# KiCad board 8851_HW-U1-VCU118_REV2-0_071417.kicad_pcb (continued)
## Nets (continued)
VCCINTIO_BRAM: C131.1 L7.2 R79.2 R156.1 R161.1 Z2.2
VCCINTIO_BRAM_DH_R: Q19.1 R154.2
VCCINTIO_BRAM_DL: Q19.7 U6.19
VCCINTIO_BRAM_FET_SWITCH: C184.2 L7.1 Q19.2 Q19.3 Q19.4 R80.2 R139.1 R158.2 U6.16
VCCINTIO_BRAM_FPGA: C160.1 C205.1 C1462.1 C1463.1 D16.1 J21.1 R78.2 R161.2 U1.AA27 U1.AC13 U1.AC27 U1.AD14 U1.AE27 U1.AF14 U1.AG13 U1.AG27 U1.AH14 U1.AJ27 U1.AK28 U1.U27 U1.V28 U1.W27 Z4.2
VCCINTIO_BRAM_FPGA_SNS_N: C175.1 C187.2 U6.26 Z5.1
VCCINTIO_BRAM_FPGA_SNS_P: C187.1 U6.27 U8.8 Z4.1
VCCINTIO_BRAM_FPGA_VIN: C127.1 R78.1 U8.9
VCCINTIO_BRAM_PGOOD: D17.1 Q26.1 R106.2 U6.32
VCCINTIO_BRAM_TEMPX: C188.1 Q20.1 Q20.2 U6.7
VCCINTIO_BRAM_VIN: C127.2 R79.1 U8.10
VCCPLL: C794.1 C835.1 L62.1 U111.F5
1N1524: J2.B1
1N1551: J2.D34
1N1554: J2.B40
1N4342: J2.A2
1N4343: J2.A18
1N4344: J2.A3
1N4345: J2.A27
1N4346: J2.A26
1N4347: J2.A7
1N4348: J2.A23
1N4349: J2.A6
1N4350: J2.A11
1N4351: J2.A19
1N4352: J2.A14
1N4353: J2.A15
1N4354: J2.A10
1N4355: J2.A22
1N4377: J2.A30
1N4378: J2.A31
1N4379: J2.A35
1N4380: J2.A34
1N4381: J2.A39
1N4383: J2.A38
1N4399: J2.B4
1N4400: J2.B5
1N4401: J2.B9
1N4402: J2.B8
1N4403: J2.B13
1N4404: J2.B16
1N4405: J2.B17
1N4406: J2.B12
1N4423: J2.B24
1N4424: J2.B25
1N4425: J2.B29
1N4426: J2.B28
1N4427: J2.B33
1N4428: J2.B36
1N4429: J2.B37
1N4430: J2.B32
1N4447: J2.C2
1N4448: J2.C3
1N4449: J2.C7
1N4450: J2.C6
1N4611: J2.D4
1N4612: J2.D5
1N4617: J2.B20
1N4618: J2.B21
4N2355: D15.2 R115.1
4N2356: DS2.4 R473.2
4N2357: DS2.1 R472.2
4N2358: R472.1 R473.1 U53.3
4N4374: J78.1 R554.1
4N4376: J78.2 R553.1
4N4692: D15.1
4N6788: DS34.1 R598.1
4N6800: Q2.3 R598.2
5N11680: U1.AN29
5N11683: U1.AU36
6N5608: U1.AL26
7N8237: U1.J15
8N9313: R193.1 R218.2 U31.1
8N9315: R217.2 R319.1 U31.15
8N9317: R213.2 R318.1 U31.3
8N9319: R208.2 R229.1 U31.2
8N9384: R221.2 R223.1 U31.13
8N9386: R220.2 R222.1 U31.14
8N9847: U1.AL17
8N9851: U1.BF20
8N9854: U1.BE20
8N9858: U1.BE19
8N9859: U1.BF19
8N9863: U1.AR17
8N9864: U1.AN18
8N9865: U1.AN19
8N9869: U1.AT19
8N9870: U1.AR18
8N9871: U1.AW17
8N9873: U1.BF17
8N9880: U1.BD20
8N9881: U1.BD17
8N9882: U1.BD18
8N9883: U1.BE18
8N9884: U1.BC20
8N9885: U1.BE17
8N9892: U1.AT17
8N9893: U1.AT20
8N9894: U1.AU17
8N9895: U1.AW20
8N9896: U1.AR19
8N9897: U1.AR20
8N9910: U1.AU19
8N9911: U1.AV20
8N9912: U1.AU18
8N9913: U1.AY17
8N9914: U1.AV18
8N9915: U1.AV19
8N9916: U1.BA19
8N9917: U1.AY18
8N9918: U1.AW18
8N9919: U1.BA17
8N9920: U1.AY19
8N9921: U1.BB17
8N9928: U1.BC18
8N9929: U1.BC19
8N9930: U1.BB19
8N9931: U1.AY20
8N9932: U1.BB18
8N9933: U1.BA20
8N9935: U1.AL19
9N9684: U1.K36
9N9688: U1.R36
9N9690: U1.V30
9N9738: U1.AH30
9N9739: U1.AM31
9N10300: U1.W31
9N10301: U1.U32
9N10302: U1.U31
9N10303: U1.T31
9N10304: U1.Y31
9N10308: U1.T30
9N10384: U1.L38
9N10385: U1.M37
9N10740: U1.R33
9N10741: U1.T33
10N8170: U1.AM16
10N8224: U1.BB11
10N8836: U1.AR15
10N8842: U1.AW16
10N8984: U1.BD10
10N8985: U1.BC10
10N8987: U1.BE10
10N8988: U1.BE7
10N8989: U1.BE8
10N8990: U1.BD7
10N8992: U1.BE9
10N8994: U1.BD8
10N9224: U1.AU14
10N9225: U1.AN13
10N9226: U1.AN14
10N9228: U1.AU13
10N9606: U1.BB8
10N9607: U1.BB9
10N9644: U1.BA10
10N9645: U1.BF7
11N5838: U1.AE8
11N5839: U1.AE9
11N8666: U1.AN9
11N8667: U1.AN8
11N8774: U1.AA9
11N8775: U1.AA8
11N9044: U1.AR9
11N9045: U1.AR8
12N5415: U1.AW21
17N1467: U19.18
17N1470: U19.15
17N1473: U19.14
17N1476: U19.10
17N1479: U19.9
17N1482: U19.6
17N1575: R575.2 U115.4
17N1576: R574.2 U115.3
17N1577: R573.2 U115.2
17N1924: R861.2 U19.2
17N2056: U13.4
17N2058: U13.9
17N2120: J106.4 X7.3
17N2123: J106.6 J106.7 J106.8 J106.9 J106.10 J106.11 R1324.1
17N2128: X7.5
17N2513: J3.14
17N2516: J3.12
17N2634: J17.1 U115.7
17N2635: J18.1 U115.6
17N2674: J19.1 R140.2 U115.5
18N3158: U60.T7
18N4182: U61.T7
20N153: U62.T7
20N1721: U63.T7
21N4739: C639.2 R565.2 R566.2
21N5660: U64.T7
22N1524: J22.B1
22N1551: J22.D34
22N1554: J22.B40
23N1212: J22.E21
23N1215: J22.E22
23N1218: J22.E24
23N1220: J22.E25
23N1224: J22.E27
23N1226: J22.E28
23N1230: J22.E30
23N1232: J22.E31
23N1236: J22.E33
23N1238: J22.E34
23N1242: J22.E36
23N1244: J22.E37
23N1248: J22.F22
23N1251: J22.F23
23N1254: J22.F25
23N1256: J22.F26
23N1260: J22.F28
23N1262: J22.F29
23N1266: J22.F31
23N1268: J22.F32
23N1272: J22.F34
23N1274: J22.F35
23N1278: J22.F37
23N1280: J22.F38
24N1169: J22.J24
24N1172: J22.J25
24N1175: J22.J27
24N1178: J22.J28
24N1181: J22.J30
24N1184: J22.J31
24N1187: J22.J33
24N1189: J22.J34
24N1193: J22.J36
24N1195: J22.J37
24N1199: J22.J39
24N1202: J22.K25
24N1205: J22.K26
24N1208: J22.K28
24N1211: J22.K29
24N1214: J22.K31
24N1217: J22.K32
24N1220: J22.K34
24N1223: J22.K35
24N1226: J22.K37
24N1229: J22.K38
24N1232: J22.K40
24N1235: J22.K1
24N1238: J22.K4
24N1241: J22.K5
24N1244: J22.J2
24N1247: J22.J3
25N293: C466.1 J22.ST2 R346.1
25N294: C467.1 J22.ST1 R345.1
26N1212: J2.E21
26N1215: J2.E22
26N1218: J2.E24
26N1220: J2.E25
26N1224: J2.E27
26N1226: J2.E28
26N1230: J2.E30
26N1232: J2.E31
26N1236: J2.E33
26N1238: J2.E34
26N1242: J2.E36
26N1244: J2.E37
26N1248: J2.F22
26N1251: J2.F23
26N1254: J2.F25
26N1256: J2.F26
26N1260: J2.F28
26N1262: J2.F29
26N1266: J2.F31
26N1268: J2.F32
26N1272: J2.F34
26N1274: J2.F35
26N1278: J2.F37
26N1280: J2.F38
26N1653: J2.F4
26N1655: J2.F5
26N1657: J2.F7
26N1659: J2.F8
26N1665: J2.F10
26N1667: J2.F11
26N1669: J2.F13
26N1671: J2.F14
26N1677: J2.F16
26N1679: J2.F17
26N1681: J2.F19
26N1683: J2.F20
26N1689: J2.E15
26N1691: J2.E16
26N1693: J2.E18
26N1695: J2.E19
26N1701: J2.E9
26N1703: J2.E10
26N1705: J2.E12
26N1707: J2.E13
26N1713: J2.E2
26N1715: J2.E3
26N1717: J2.E6
26N1719: J2.E7
27N2133: U2.A8
27N2135: U2.A7
27N2137: U2.A6
27N2139: U2.A5
27N2141: U2.B9
27N2176: U2.A33
27N2177: U2.A32
27N2179: U2.A19
27N2181: U2.B12
27N2183: U2.A50
27N2225: U2.A10
27N2226: U2.A9
27N2228: U2.B10
27N2231: U2.B6
27N2232: U2.B5
27N2234: U2.B82
27N2236: U2.B8
27N2238: U2.B30
29N3158: U135.T7
29N4153: U136.T7
30N3617: U1.N12
30N3618: U1.J14
30N3619: U1.R16
30N4994: U1.AL22
31N2260: R1241.1 R1261.1 U164.34
31N2264: C1689.2 C1713.1 R1215.1 R1261.2 U164.33
31N2266: C1713.2 C1719.2 U164.32
31N2267: C1690.2 R1272.1 U164.31
31N2291: R1253.1 U164.28
31N2351: C1719.1 R1215.2
31N2375: C1689.1 R1241.2
31N3241: R1206.1 U164.6
31N3243: R1201.1 U164.5
31N3245: R1205.1 U164.4
31N3247: R1254.1 U164.3
31N3249: R1265.1 U164.2
31N3251: R1238.1 U164.1
31N3398: L96.2 U164.26
31N3508: C1683.1 R1267.1 U164.22
31N3515: C1684.1 R1268.1 U164.21
31N3619: C1685.1 R1269.1 U164.20
31N5850: C1691.2 R1222.1 R1253.2 U164.29
31N5852: C1637.1 R1222.2
31N6030: C1690.1 R1244.2
31N6929: U164.10
31N8456: C229.1 R171.1 U164.23
32N2260: R1236.1 R1263.1 U165.34
32N2264: C1724.2 R1248.1 R1259.1 R1263.2 U165.33
32N2266: C1638.2 C1695.2 U165.32
32N2267: R1273.1 U165.31
32N2291: R1255.1 U165.28
32N2351: C1638.1 R1259.2
32N2375: C1724.1 R1236.2
32N3241: R1280.1 U165.6
32N3243: R1213.1 U165.5
32N3245: R1281.1 U165.4
32N3247: R1256.1 U165.3
32N3249: R1229.1 U165.2
32N3251: R1239.1 U165.1
32N3398: L97.2 U165.26
32N3515: C1720.1 R1270.1 U165.21
32N3990: C1599.1 R1211.2 R1247.1 U162.12
32N4051: C1708.1 R1278.2 U162.16
32N5850: C1694.2 R1233.1 R1255.2 U165.29
32N5852: C1722.1 R1233.2
32N6304: C1703.2 U162.10
32N7064: U165.10
32N8319: C1695.1 R1248.2
32N9731: R129.2 U36.1
32N9732: R128.2 U36.2
34N153: U137.T7
34N2121: U138.T7
35N3590: U122.2 X6.3
35N3592: U122.1 X6.1
35N3667: R801.1 R803.2 U122.12
35N3680: R802.2 R804.1 U122.19
35N3787: U122.13
35N3790: U122.9
35N3861: U122.8
35N3959: U157.8
35N4086: U157.16
35N4087: U157.15
35N4466: R28.2 U18.2
35N4470: U18.1
35N4621: J8.2 R9.1 U157.2
36N328: R77.2 U32.2
36N711: U32.1
36N1001: U104.8
36N1657: J9.2 R194.1 U104.2
36N1876: R86.2 U38.2
36N1879: U38.1
36N2434: R126.2 U14.1
36N2543: U14.2
38N7680: R44.1 U7.12
38N7682: R30.2 U7.22
38N7683: R29.2 U7.23
38N7684: R31.2 U7.20
38N7720: X2.2
38N7721: X2.4
38N7725: R73.2 U7.25
38N7726: R35.2 U7.26
38N10481: U7.40
38N10484: U7.21
38N10562: U7.32
38N10573: U7.29
38N10574: U7.48
38N10575: U7.13
38N10576: U7.37
38N10790: R32.1 U7.18
38N10890: DS1.2 R33.2
38N12235: C238.1 J10.7
38N12237: C237.1 J10.1
38N12239: C129.1 J10.6
38N12241: C1781.1 J10.12
39N5820: U133.13
39N5821: U133.12
39N5822: U133.11
39N5824: R1017.2 U133.14
39N5826: U133.5
39N5827: U133.6
39N5828: U133.4
39N5864: U43.13
39N5865: U43.12
39N5866: U43.11
39N5868: R215.2 U43.14
39N5871: U43.5
39N5872: U43.6
39N5873: U43.4
40N107: R352.1 R399.2 U12.3
40N4216: R498.1 U34.9
40N4217: C54.1 C470.1 U34.6
40N4218: J4.4 X1.3
40N4221: J4.6 J4.7 J4.8 J4.9 J4.10 J4.11 R1325.1
40N4233: U34.16
40N4235: U34.10
40N4237: U34.11
40N4239: U34.22
40N4241: U34.17
40N4243: U34.1
40N4245: X1.5
40N4295: R858.1 R859.1 U131.4
40N4316: Q55.3 U34.19
40N4317: Q54.3 U34.18
40N4318: Q53.3 U34.21
40N4319: Q52.3 U34.20
40N5161: U34.23
40N5164: U34.24
40N5167: U34.15
40N5170: U34.14
40N5326: Q56.3 U34.13
40N5328: Q57.3 U34.12
41N94: R840.2 SW6.1 SW6.2
41N96: R841.2 SW9.1 SW9.2
41N97: R839.2 SW10.1 SW10.2
41N2776: R837.2 SW17.1 SW17.2
41N2778: R838.2 SW7.1 SW7.2
41N3761: DS7.2 R151.2
41N3762: DS6.2 R149.2
41N3763: DS8.2 R148.2
41N3764: DS9.2 R147.2
41N3765: DS10.2 R146.2
41N3766: DS12.2 R145.2
41N3767: DS13.2 R144.2
41N3768: DS18.2 R143.2
41N3809: DS10.1 Q12.3
41N3810: DS8.1 Q14.3
41N3811: DS6.1 Q15.3
41N3812: DS9.1 Q13.3
41N3813: DS7.1 Q16.3
41N3814: DS12.1 Q11.3
41N3815: DS13.1 Q10.3
41N3816: DS18.1 Q8.3
42N2449: U17.11
42N2458: U17.10
42N2553: U44.11
42N2555: U44.10
42N3296: R85.2 U44.19 U44.20
42N3414: R89.2 U3.19 U3.20
42N3417: R90.2 U17.19 U17.20
42N3794: U17.13
42N3796: U17.8
43N2999: U1.T28
48N1291: R131.2 U41.19 U41.20
48N1428: R132.2 U42.19 U42.20
49N610: R75.2 R356.1 U28.21
49N611: R58.1 R355.2 U28.2
49N612: R59.1 R354.2 U28.1
49N3747: R581.1 R601.2 U80.21
49N3748: R580.2 R600.1 U80.2
49N3749: R582.1 R602.2 U80.1
49N6854: U80.19
49N6856: U80.20
49N7483: U80.17
49N7484: U80.18
49N7548: U28.6
49N7549: U28.7
51N1061: C242.2 C910.2 Q1.4 R273.1 R316.2
51N1068: Q4.3 R273.2
51N1070: R421.2 SW1.1
51N1071: DS26.1 R460.1
51N2166: C358.1 U15.6
51N2353: J12.2 R639.2 U15.1
51N3244: C871.1 R637.1 R638.2 U15.3 U128.22
51N4062: R808.1 R816.2 U128.11
51N4063: R815.1 R819.2 U128.8
51N4064: R817.2 R827.1 U128.18
51N4066: R809.1 R818.2 U128.4
51N4068: C873.1 U128.3 U128.5 U128.14
51N4071: C870.1 U128.24
51N4072: C869.1 U128.23
51N4078: U128.6
51N4079: U128.28
51N4080: U128.15
51N4081: U128.19
51N4082: U128.21
51N4083: U128.27
51N4084: U128.26
51N4085: U128.25
51N4086: U128.7
51N4580: DS20.1 R134.1
51N4656: J39.15
51N4658: J39.13
51N4660: J39.11
51N4662: J39.9
51N4664: J39.5
52N2260: R1237.1 R1264.1 U166.34
52N2264: C1725.2 R1252.1 R1260.1 R1264.2 U166.33
52N2266: C1639.2 C1699.2 U166.32
52N2267: R1274.1 U166.31
52N2291: R1257.1 U166.28
52N2351: C1639.1 R1260.2
52N2375: C1725.1 R1237.2
52N3241: R1207.1 U166.6
52N3243: R1262.1 U166.5
52N3245: R1214.1 U166.4
52N3247: R1258.1 U166.3
52N3249: R1266.1 U166.2
52N3251: R1240.1 U166.1
52N3398: L98.2 U166.26
52N3515: C1721.1 R1271.1 U166.21
52N3990: C1604.1 R1212.2 R1251.1 U163.12
52N4051: C1709.1 R1279.2 U163.16
52N5850: C1698.2 R1234.1 R1257.2 U166.29
52N5852: C1723.1 R1234.2
52N6304: C1704.2 U163.10
52N7064: U166.10
52N8319: C1699.1 R1252.2
52N9498: R130.2 U37.1
55N3098: R1158.2 U9.13
55N3099: C1442.1 R1111.2 U9.22
55N3100: R1166.1 U9.4
55N3101: C1527.1 R1136.2
55N3102: R1131.1 R1143.2 U9.1
55N3103: R1132.1 U9.2
55N3104: R1125.1 U9.3
55N3109: C1401.1 U9.18
55N3110: R1159.1 U9.14
55N3111: C1523.1 U9.17
55N3112: R1112.1 U9.15
55N3113: L82.2 U9.21
55N3114: L82.1 U9.23
55N3115: C1408.1 U9.6
55N3116: C1543.1 U9.24 U9.25
55N3155: C1531.2 U9.30 Z98.1
55N3156: C1531.1 U9.31 Z97.1
55N4690: R125.2 U23.2
55N4756: R1127.1 Z98.2
56N1406: R463.2 U30.13
56N1407: C124.1 R95.2 U30.22
56N1411: C729.2 U30.30 Z66.1
56N1412: R515.1 U30.4
56N1413: C454.1 R231.2
56N1414: R214.1 R362.2 U30.1
56N1415: R155.1 U30.2
56N1416: R199.1 U30.3
56N1425: C258.1 U30.18
56N1426: R464.1 U30.14
56N1427: C406.1 U30.17
56N1428: R98.1 U30.15
56N1429: L48.2 U30.21
56N1430: L48.1 U30.23
56N1431: C423.1 U30.6
56N1432: C480.1 U30.24 U30.25
56N1434: C729.1 U30.31 Z65.1
56N2929: J14.1 R435.2
56N5656: R712.1 Z66.2
57N3698: R1160.2 U4.13
57N3699: C1443.1 R1113.2 U4.22
57N3700: R1167.1 U4.4
57N3701: C1528.1 R1137.2
57N3702: R1133.1 R1144.2 U4.1
57N3703: R1126.1 U4.2
57N3704: R1108.1 U4.3
57N3709: C1402.1 U4.18
57N3710: R1161.1 U4.14
57N3711: C1524.1 U4.17
57N3712: R1114.1 U4.15
57N3713: L83.2 U4.21
57N3714: L83.1 U4.23
57N3715: C1409.1 U4.6
57N3716: C1544.1 U4.24 U4.25
57N3731: C1533.2 U4.30 Z104.1
57N3732: C1533.1 U4.31 Z103.1
57N5412: R1107.1 Z104.2
60N3562: C1731.1 J63.1 R172.1 U167.12 U167.13 U167.14 U167.15
60N3589: U167.1
60N3590: U167.16
60N3594: U167.9
60N3616: C1754.1 U167.8
60N3732: R1289.1 R1290.2 U167.11
60N3794: U5.1
60N3795: U5.16
60N3797: U5.9
60N3801: C183.1 U5.8
60N3813: R138.1 R160.2 U5.11
60N4071: C132.1 J20.1 R173.1 U5.12 U5.13 U5.14 U5.15
61N5741: R1165.1 U156.14
61N5742: R1164.2 U156.13
61N5743: C1537.2 U156.30 Z118.1
61N5744: R1169.1 U156.4
61N5745: C1530.1 R1139.2
61N5746: R1109.1 U156.2
61N5747: R1170.1 U156.3
61N5752: C1404.1 U156.18
61N5753: C1526.1 U156.17
61N5754: R1147.1 U156.15
61N5755: L85.2 U156.21
61N5756: L85.1 U156.23
61N5757: C1411.1 U156.6
61N5758: C1546.1 U156.24 U156.25
61N5761: R1130.1 U156.1
61N5762: C1445.1 R1116.2 U156.22
61N5776: C1537.1 U156.31 Z117.1
61N7077: C194.1 L75.2 R153.2 R1157.1 Z117.2
61N7290: R1135.1 Z118.2
62N1445: R162.1 R166.2 U10.7
62N1446: C190.1 U10.6
62N1458: Q24.3 R165.1
62N1459: DS4.1 R165.2
62N1460: Q24.1 R164.2
63N1124: Q6.3 R468.1
63N1127: DS27.1 R468.2
63N3433: C872.1 U124.C2
63N3436: C878.1 R813.2
63N3439: R813.1 U124.B1
63N3442: C879.2 R805.1 R814.2 U124.C1
63N4281: Q36.3 R830.1
63N4282: DS46.1 R830.2
63N4453: U124.B2
63N4705: C1356.1 U151.C2
63N4706: C1358.1 R1097.2
63N4708: R1097.1 U151.B1
63N4710: C1359.2 R1090.1 R1096.2 U151.C1
63N4720: U151.B2
63N5111: Q5.3 R467.1
63N5112: DS28.1 R467.2
63N5113: Q5.1 R334.2
63N5131: R821.1 R832.2 U125.7
63N5132: C862.1 U125.6
64N648: DS36.2 R492.2
64N649: DS36.1 Q17.3
64N651: U24.5 Z43.2
64N2771: DS47.2 R945.2
64N2772: DS47.1 Q37.3
64N2774: U134.5 Z86.2
65N130: R479.1 R480.1 U71.4
65N131: DS3.1 R479.2
65N132: DS3.4 R480.2
65N137: DS25.1 R484.1
65N138: DS17.1 R483.1
65N139: DS15.1 R482.1
65N140: DS16.1 R481.1
65N144: DS25.2 U51.15
65N145: DS16.2 U51.18
65N146: DS15.2 U51.17
65N147: DS17.2 U51.16
65N152: DS19.1 R486.1
65N154: DS24.1 R487.1
65N158: DS21.1 R488.1
65N160: R323.2 U51.2
65N163: DS21.2 U51.21
65N166: DS24.2 U51.20
65N167: DS19.2 U51.19
65N1694: DS14.1 R478.1
65N1695: DS14.2 U51.14
65N4344: R424.1 U51.22
65N4702: DS49.2 R1183.2
65N4703: DS49.1 Q58.3
65N4960: DS5.2 R127.2
65N4961: DS5.1 Q26.3
67N1169: J2.J24
67N1172: J2.J25
67N1175: J2.J27
67N1178: J2.J28
67N1181: J2.J30
67N1184: J2.J31
67N1187: J2.J33
67N1189: J2.J34
67N1193: J2.J36
67N1195: J2.J37
67N1199: J2.J39
67N1202: J2.K25
67N1205: J2.K26
67N1208: J2.K28
67N1211: J2.K29
67N1214: J2.K31
67N1217: J2.K32
67N1220: J2.K34
67N1223: J2.K35
67N1226: J2.K37
67N1229: J2.K38
67N1232: J2.K40
67N1235: J2.K1
67N1238: J2.K4
67N1241: J2.K5
67N1244: J2.J2
67N1247: J2.J3
67N1644: J2.K19
67N1646: J2.K20
67N1648: J2.K22
67N1650: J2.K23
67N1656: J2.K13
67N1658: J2.K14
67N1660: J2.K16
67N1662: J2.K17
67N1668: J2.K7
67N1670: J2.K8
67N1672: J2.K10
67N1674: J2.K11
67N1680: J2.J18
67N1682: J2.J19
67N1684: J2.J21
67N1686: J2.J22
67N1692: J2.J12
67N1694: J2.J13
67N1696: J2.J15
67N1698: J2.J16
67N1704: J2.J6
67N1706: J2.J7
67N1708: J2.J9
67N1710: J2.J10
68N293: C1108.1 J2.ST2 R892.1
68N294: C1109.1 J2.ST1 R891.1
70N4739: C1163.2 R897.2 R898.2
70N5660: U139.T7
71N1040: R1148.1 U141.E7
72N3763: C1759.2 R951.2 R1292.2
72N4110: R216.1 U142.E7
74N668: DS48.2 R1013.2
74N670: DS48.1 Q41.3
77N2783: R1075.2 U150.13
77N2784: C1317.1 R1021.2 U150.22
77N2785: C1328.2 U150.30 Z90.1
77N2786: R1077.1 U150.4
77N2787: C1327.1 R1029.2
77N2788: R1028.1 R1070.2 U150.1
77N2789: R1174.1 U150.2
77N2790: R1078.1 U150.3
77N2796: C1311.1 U150.18
77N2797: R1076.1 U150.14
77N2798: C1325.1 U150.17
77N2799: R1022.1 U150.15
77N2800: L67.2 U150.21
77N2801: L67.1 U150.23
77N2802: C1313.1 U150.6
77N2803: C1336.1 U150.24 U150.25
77N2808: R1020.2 R1052.1 U150.12
77N4651: C1428.1 L66.2 R152.1 R1074.1 Z89.2
77N4678: C1328.1 U150.31 Z89.1
77N6252: R1079.1 Z90.2
78N6513: R724.2 U111.K6
78N6517: U111.F11 U111.H15
78N6524: U111.F12
78N6525: U111.E11
78N6526: U111.E13
78N6527: U111.E12
78N6528: U111.F14
78N6529: U111.F13
78N6530: U111.G15
78N6531: U111.F15
78N7461: U111.P10
78N7462: U111.R7
78N7464: U111.L12
78N7465: U111.M12
78N7467: U111.H14
78N7468: U111.K11
78N7469: U111.G11
78N7471: U111.J15
78N7472: U111.K15
78N7473: U111.J13
78N7475: U111.H13
78N7477: U111.L14
78N7478: U111.M14
78N7479: U111.L13
78N7480: U111.P14
78N7481: U111.N9
78N7482: U111.M15
78N7483: U111.P15
78N7501: U111.M9
78N7502: U111.N12
78N7503: U111.N11
78N7504: U111.R15
78N7505: U111.P13
78N7506: U111.K13
78N7507: U111.N13
78N7944: U111.L15
78N8053: U109.14
78N8055: U109.13
78N8057: U109.12
78N8059: U109.11
78N8061: U109.7
78N8063: U109.8
78N8065: U109.9
78N8067: U109.10
78N8088: R142.2 U109.19 U109.20
78N8264: U111.J14
78N8265: U111.H11
78N8266: U111.J11
79N2940: R826.2 U111.B11
79N2956: R1124.1 U111.B5
79N2958: R1197.2 U111.B6
79N2959: R1196.2 U111.D9
79N3567: U111.F4
79N3568: U111.J3
79N3569: U111.H3
79N3570: U111.R5
79N3571: U111.R6
79N3572: U111.L3
79N3573: U111.R3
79N3574: U111.K3
79N3575: U111.R2
79N3576: U111.M6
79N3577: U111.N6
79N3578: U111.R1
79N3579: U111.N1
79N3580: U111.P1
79N3581: U111.N2
79N3582: U111.M1
79N3583: U111.P3
79N3584: U111.P5
79N3585: U111.P4
79N3586: U111.P6
79N3587: U111.M5
79N3588: U111.J1
79N3589: U111.N4
79N3590: U111.L2
79N3591: U111.K2
79N3592: U111.M2
79N3593: U111.H2
79N3594: U111.K1
79N3595: U111.G1
79N3596: U111.H1
79N3597: U111.F3
79N3598: U111.G2
79N3599: U111.F2
79N3600: U111.E3
79N3601: U111.D3
79N3602: U111.D1
79N3603: U111.E2
79N3604: U111.E1
79N3605: U111.C3
79N3606: U111.A3
79N3607: U111.B4
79N3608: U111.A4
79N3609: U111.C2
79N3610: U111.B2
79N3611: U111.B1
79N3612: U111.C4
79N3613: U111.C1
79N3614: U111.D4
79N3615: U111.A2
79N3616: U111.L4
79N3617: U111.M4
79N3618: U111.N3
81N1560: U114.3
81N1561: U114.4
81N1562: U114.5
81N1563: U114.6
81N1572: U114.14
81N1573: U114.13
81N1574: U114.12
81N1575: U114.11
81N1821: DS43.2 R785.2
81N1822: DS43.1 Q34.3
81N1903: DS45.2 R786.2
81N1904: DS45.1 Q35.3
81N3811: DS44.2 R787.2
81N3812: DS44.1 Q3.3
81N3985: DS42.1 DS42.3 R784.2
81N3988: DS42.2 Q7.3
81N4212: U154.11
250MHZ_CLK1_N: R24.2 R42.1 R692.1 U1.D12 U21.2
250MHZ_CLK1_P: R23.2 R25.1 R692.2 U1.E12 U21.1
250MHZ_CLK2_N: R15.1 R18.2 R22.1 U1.AW27 U21.4
250MHZ_CLK2_P: R15.2 R17.2 R20.1 U1.AW26 U21.3
5328N47: R21.1 U57.21
5328N733: U57.4
5328N736: U57.11
5328N739: U57.15
5328N742: U57.18
5328N745: U57.2
5328N748: U57.9
5328N751: U57.14
5328N754: U57.30
5328N757: U57.33
5328N766: U57.27
5328N1017: U57.19
5328N1020: U57.20
5329N4244: U1.D24
5329N4246: U1.G21
5329N4248: U1.K23
5329N4257: U1.J20
5329N4282: U1.T19
5329N4285: U1.G17
5329N4288: U1.T20
5330N3435: U1.T25
5330N3438: U1.J34
5330N3483: U1.D36
5330N3484: U1.C38
5330N3486: U1.E36
5330N3493: U1.A25
5330N3494: U1.H25
5330N3495: U1.J25
5336N2051: J6.B8
5336N2052: J6.B9
5336N2053: J6.B10
5336N2054: J6.B11
5336N2059: J6.A8
5336N2060: J6.A9
5336N2061: J6.A10
5336N2062: J6.A11
5336N2064: J6.A12
5336N2066: J6.B12
5336N2098: C6.2 C11.2 J6.10 L5.1
5336N2099: C5.1 C8.1 J6.1 L4.1
5336N2585: J36.3
5337N768: R157.2 U6.13
5337N769: C173.1 R14.2 U6.22
5337N770: R159.1 U6.4
5337N771: C185.1 R139.2
5337N772: R136.1 R141.2 U6.1
5337N773: R137.1 U6.2
5337N774: R74.1 U6.3
5337N779: C130.1 U6.18
5337N780: R158.1 U6.14
5337N781: C184.1 U6.17
5337N782: R154.1 U6.15
5337N783: L8.2 U6.21
5337N784: L8.1 U6.23
5337N785: C145.1 U6.6
5337N786: C189.1 U6.24 U6.25
5337N797: C186.2 U6.30 Z3.1
5337N798: C186.1 U6.31 Z2.1
5337N2109: R80.1 Z3.2
5339N66: J22.L33
5339N68: J22.L32
5339N70: J22.L1
5340N31: C1588.1 R1208.2 U159.12
5340N35: C1705.1 R1275.2 U159.16
5340N44: C1700.2 U159.10
5340N432: C1591.1 R1209.2 U160.12
5340N433: C1706.1 R1276.2 U160.16
5340N442: C1701.2 U160.10
5340N809: C1594.1 R1210.2 U161.12
5340N810: C1707.1 R1277.2 U161.16
5340N819: C1702.2 U161.10
5340N1196: C1780.2 R1317.1
5340N1198: C1779.2 R1318.1
5340N1200: C1778.2 R1319.1
5340N1586: C150.1 R167.2 U11.12
5340N1587: C232.1 R196.2 U11.16
5340N1593: C231.2 U11.10
5340N2428: C233.2 R170.1
CLK_125MHZ_N: R150.1 R186.2 R188.1 U1.AY23 U122.17
CLK_125MHZ_P: R150.2 R185.2 R187.1 U1.AY24 U122.18
COMBINED_PGOOD: D4.2 D5.2 D7.1 D10.2 D11.2 D12.2 D13.2 D14.2 D17.2 D35.2 R321.2 U71.2 U109.15
COMBINED_PGOOD_LS: D7.2 J78.3 R16.2 U109.6 U111.R10
CPU_RESET: R52.1 SW5.3 SW5.4 U1.L19
DDR4_C1_A0: R238.2 U1.D14 U60.P3 U61.P3 U62.P3 U63.P3 U64.P3
DDR4_C1_A1: R239.2 U1.B15 U60.P7 U61.P7 U62.P7 U63.P7 U64.P7
DDR4_C1_A2: R255.2 U1.B16 U60.R3 U61.R3 U62.R3 U63.R3 U64.R3
DDR4_C1_A3: R254.2 U1.C14 U60.N7 U61.N7 U62.N7 U63.N7 U64.N7
DDR4_C1_A4: R252.2 U1.C15 U60.N3 U61.N3 U62.N3 U63.N3 U64.N3
DDR4_C1_A5: R253.2 U1.A13 U60.P8 U61.P8 U62.P8 U63.P8 U64.P8
DDR4_C1_A6: R241.2 U1.A14 U60.P2 U61.P2 U62.P2 U63.P2 U64.P2
DDR4_C1_A7: R240.2 U1.A15 U60.R8 U61.R8 U62.R8 U63.R8 U64.R8
DDR4_C1_A8: R245.2 U1.A16 U60.R2 U61.R2 U62.R2 U63.R2 U64.R2
DDR4_C1_A9: R244.2 U1.B12 U60.R7 U61.R7 U62.R7 U63.R7 U64.R7
DDR4_C1_A10: R243.2 U1.C12 U60.M3 U61.M3 U62.M3 U63.M3 U64.M3
DDR4_C1_A11: R242.2 U1.B13 U60.T2 U61.T2 U62.T2 U63.T2 U64.T2
DDR4_C1_A12: R247.2 U1.C13 U60.M7 U61.M7 U62.M7 U63.M7 U64.M7
DDR4_C1_A13: R256.2 U1.D15 U60.T8 U61.T8 U62.T8 U63.T8 U64.T8
DDR4_C1_A14_WE_B: R249.2 U1.H14 U60.L2 U61.L2 U62.L2 U63.L2 U64.L2
DDR4_C1_A15_CAS_B: R250.2 U1.H15 U60.M8 U61.M8 U62.M8 U63.M8 U64.M8
DDR4_C1_A16_RAS_B: R564.2 U1.F15 U60.L8 U61.L8 U62.L8 U63.L8 U64.L8
DDR4_C1_ACT_B: R567.2 U1.E13 U60.L3 U61.L3 U62.L3 U63.L3 U64.L3
DDR4_C1_ALERT_B: R258.2 U1.R17 U60.P9 U61.P9 U62.P9 U63.P9 U64.P9
DDR4_C1_BA0: R237.2 U1.G15 U60.N2 U61.N2 U62.N2 U63.N2 U64.N2
DDR4_C1_BA1: R257.2 U1.G13 U60.N8 U61.N8 U62.N8 U63.N8 U64.N8
DDR4_C1_BG0: R246.2 U1.H13 U60.M2 U61.M2 U62.M2 U63.M2 U64.M2
DDR4_C1_CK_C: R566.1 U1.E14 U60.K8 U61.K8 U62.K8 U63.K8 U64.K8
DDR4_C1_CK_T: R565.1 U1.F14 U60.K7 U61.K7 U62.K7 U63.K7 U64.K7
DDR4_C1_CKE: R251.2 U1.A10 U60.K2 U61.K2 U62.K2 U63.K2 U64.K2
DDR4_C1_CS_B: R1105.2 U1.F13 U60.L7 U61.L7 U62.L7 U63.L7 U64.L7
DDR4_C1_DM0: U1.G11 U60.E7
DDR4_C1_DM1: U1.R18 U60.E2
DDR4_C1_DM2: U1.K17 U61.E7
DDR4_C1_DM3: U1.G18 U61.E2
DDR4_C1_DM4: U1.B18 U62.E7
DDR4_C1_DM5: U1.P20 U62.E2
DDR4_C1_DM6: U1.L23 U63.E7
DDR4_C1_DM7: U1.G22 U63.E2
DDR4_C1_DM8: U1.E24 U64.E7
DDR4_C1_DM9: U1.C9 U64.E2
DDR4_C1_DQ0: U1.F11 U60.G2
DDR4_C1_DQ1: U1.E11 U60.F7
DDR4_C1_DQ2: U1.F10 U60.H3
DDR4_C1_DQ3: U1.F9 U60.H7
DDR4_C1_DQ4: U1.H12 U60.H2
DDR4_C1_DQ5: U1.G12 U60.H8
DDR4_C1_DQ6: U1.E9 U60.J3
DDR4_C1_DQ7: U1.D9 U60.J7
DDR4_C1_DQ8: U1.R19 U60.A3
DDR4_C1_DQ9: U1.P19 U60.B8
DDR4_C1_DQ10: U1.M18 U60.C3
DDR4_C1_DQ11: U1.M17 U60.C7
DDR4_C1_DQ12: U1.N19 U60.C2
DDR4_C1_DQ13: U1.N18 U60.C8
DDR4_C1_DQ14: U1.N17 U60.D3
DDR4_C1_DQ15: U1.M16 U60.D7
DDR4_C1_DQ16: U1.L16 U61.G2
DDR4_C1_DQ17: U1.K16 U61.F7
DDR4_C1_DQ18: U1.L18 U61.H3
DDR4_C1_DQ19: U1.K18 U61.H7
DDR4_C1_DQ20: U1.J17 U61.H2
DDR4_C1_DQ21: U1.H17 U61.H8
DDR4_C1_DQ22: U1.H19 U61.J3
DDR4_C1_DQ23: U1.H18 U61.J7
DDR4_C1_DQ24: U1.F19 U61.A3
DDR4_C1_DQ25: U1.F18 U61.B8
DDR4_C1_DQ26: U1.E19 U61.C3
DDR4_C1_DQ27: U1.E18 U61.C7
DDR4_C1_DQ28: U1.G20 U61.C2
DDR4_C1_DQ29: U1.F20 U61.C8
DDR4_C1_DQ30: U1.E17 U61.D3
DDR4_C1_DQ31: U1.D16 U61.D7
DDR4_C1_DQ32: U1.D17 U62.G2
DDR4_C1_DQ33: U1.C17 U62.F7
DDR4_C1_DQ34: U1.C19 U62.H3
DDR4_C1_DQ35: U1.C18 U62.H7
DDR4_C1_DQ36: U1.D20 U62.H2
DDR4_C1_DQ37: U1.D19 U62.H8
DDR4_C1_DQ38: U1.C20 U62.J3
DDR4_C1_DQ39: U1.B20 U62.J7
DDR4_C1_DQ40: U1.N23 U62.A3
DDR4_C1_DQ41: U1.M23 U62.B8
DDR4_C1_DQ42: U1.R21 U62.C3
DDR4_C1_DQ43: U1.P21 U62.C7
DDR4_C1_DQ44: U1.R22 U62.C2
DDR4_C1_DQ45: U1.P22 U62.C8
DDR4_C1_DQ46: U1.T23 U62.D3
DDR4_C1_DQ47: U1.R23 U62.D7
DDR4_C1_DQ48: U1.K24 U63.G2
DDR4_C1_DQ49: U1.J24 U63.F7
DDR4_C1_DQ50: U1.M21 U63.H3
DDR4_C1_DQ51: U1.L21 U63.H7
DDR4_C1_DQ52: U1.K21 U63.H2
DDR4_C1_DQ53: U1.J21 U63.H8
DDR4_C1_DQ54: U1.K22 U63.J3
DDR4_C1_DQ55: U1.J22 U63.J7
DDR4_C1_DQ56: U1.H23 U63.A3
DDR4_C1_DQ57: U1.H22 U63.B8
DDR4_C1_DQ58: U1.E23 U63.C3
DDR4_C1_DQ59: U1.E22 U63.C7
DDR4_C1_DQ60: U1.F21 U63.C2
DDR4_C1_DQ61: U1.E21 U63.C8
DDR4_C1_DQ62: U1.F24 U63.D3
DDR4_C1_DQ63: U1.F23 U63.D7
DDR4_C1_DQ64: U1.A24 U64.G2
DDR4_C1_DQ65: U1.A23 U64.F7
DDR4_C1_DQ66: U1.C24 U64.H3
DDR4_C1_DQ67: U1.C23 U64.H7
DDR4_C1_DQ68: U1.B23 U64.H2
DDR4_C1_DQ69: U1.B22 U64.H8
DDR4_C1_DQ70: U1.B21 U64.J3
DDR4_C1_DQ71: U1.A21 U64.J7
DDR4_C1_DQ72: U1.D7 U64.A3
DDR4_C1_DQ73: U1.C7 U64.B8
DDR4_C1_DQ74: U1.B8 U64.C3
DDR4_C1_DQ75: U1.B7 U64.C7
DDR4_C1_DQ76: U1.C10 U64.C2
DDR4_C1_DQ77: U1.B10 U64.C8
DDR4_C1_DQ78: U1.B11 U64.D3
DDR4_C1_DQ79: U1.A11 U64.D7
DDR4_C1_DQS0_C: U1.D10 U60.F3
DDR4_C1_DQS0_T: U1.D11 U60.G3
DDR4_C1_DQS1_C: U1.P16 U60.A7
DDR4_C1_DQS1_T: U1.P17 U60.B7
DDR4_C1_DQS2_C: U1.J19 U61.F3
DDR4_C1_DQS2_T: U1.K19 U61.G3
DDR4_C1_DQS3_C: U1.E16 U61.A7
DDR4_C1_DQS3_T: U1.F16 U61.B7
DDR4_C1_DQS4_C: U1.A18 U62.F3
DDR4_C1_DQS4_T: U1.A19 U62.G3
DDR4_C1_DQS5_C: U1.M22 U62.A7